# Altium PCB PCB.PcbDoc
Units mil, origin at the board's own origin, x right, y up, seen from the top; angles counter-clockwise.
Board outline 3942.15 x 3154.64 mil, 2 copper layers (Top Layer, Bottom Layer); 108 components, 94 nets, 395 pads, 354 vias.
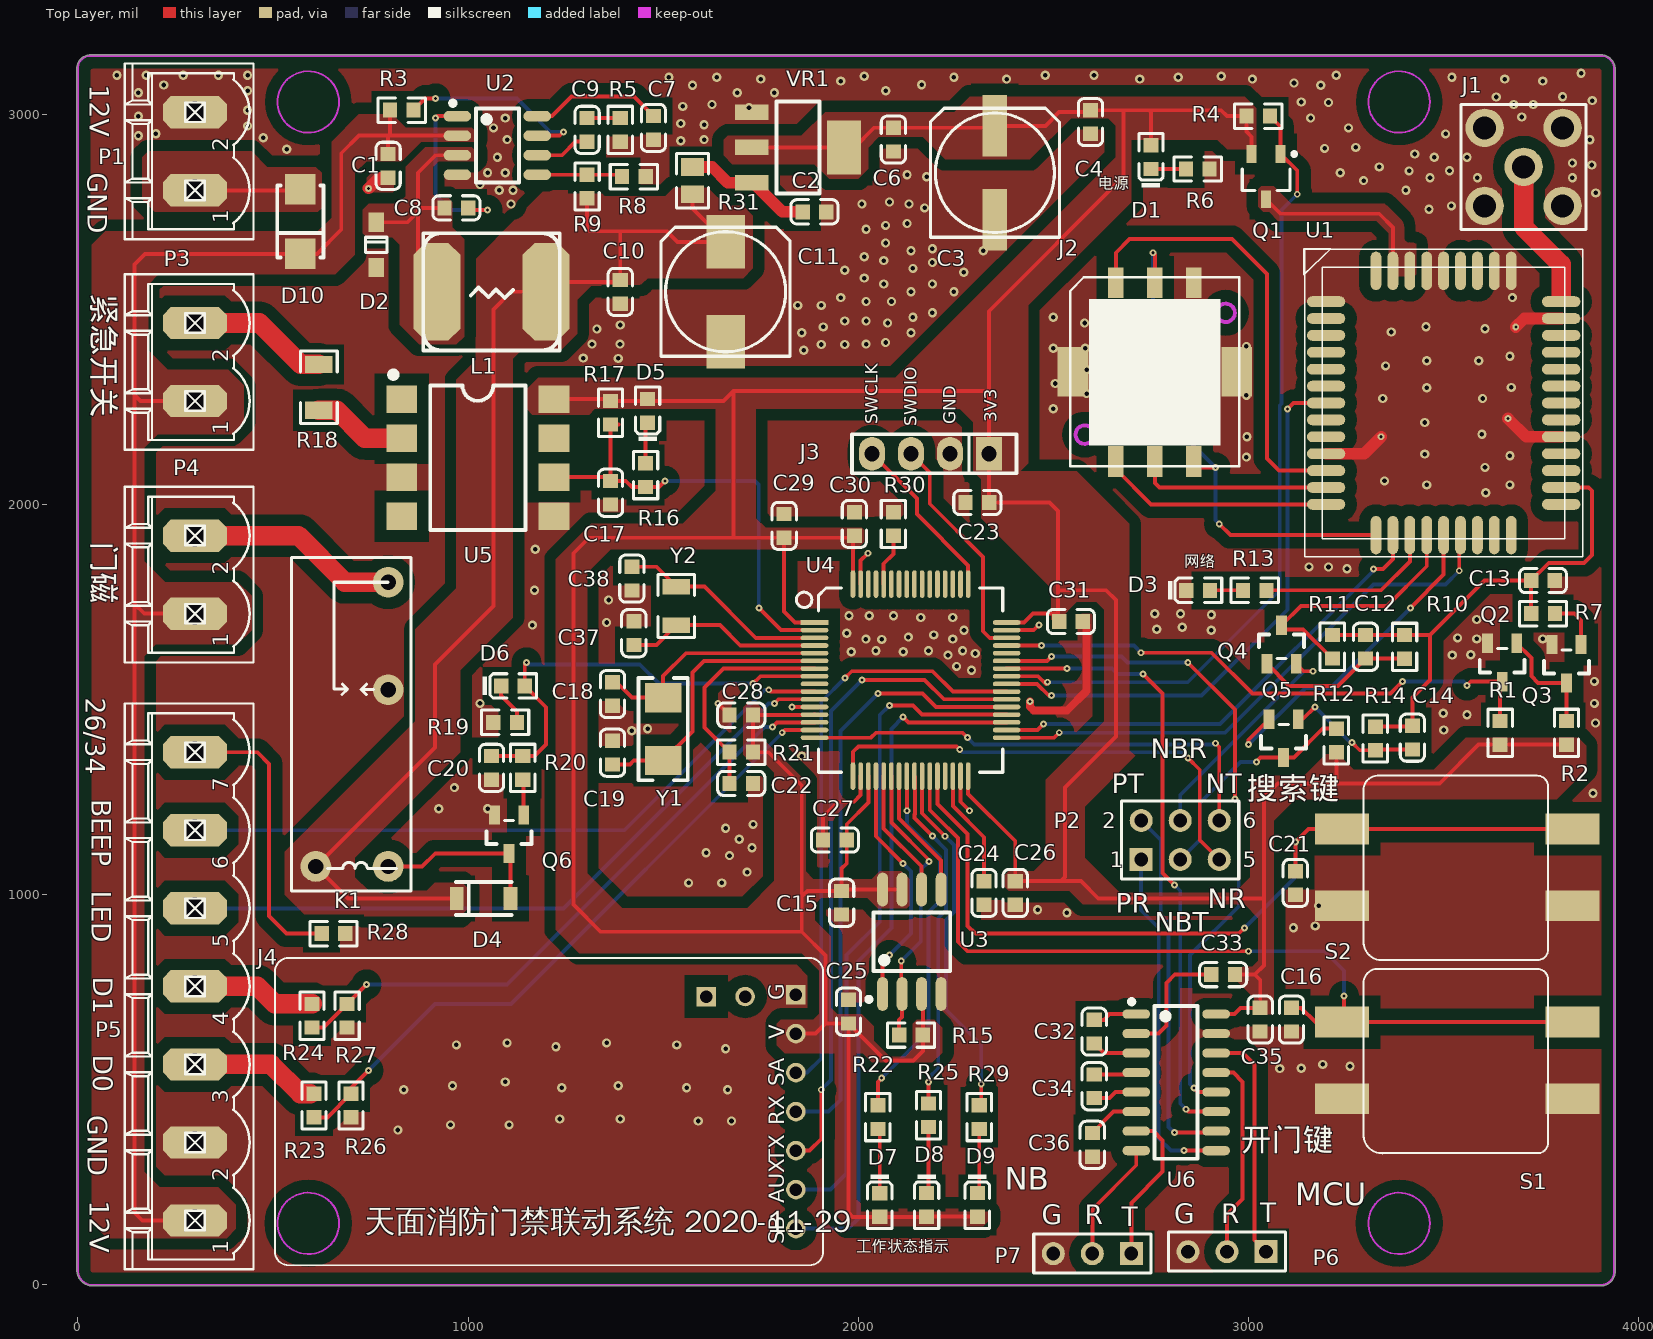
[diagram p0: Top Layer view]
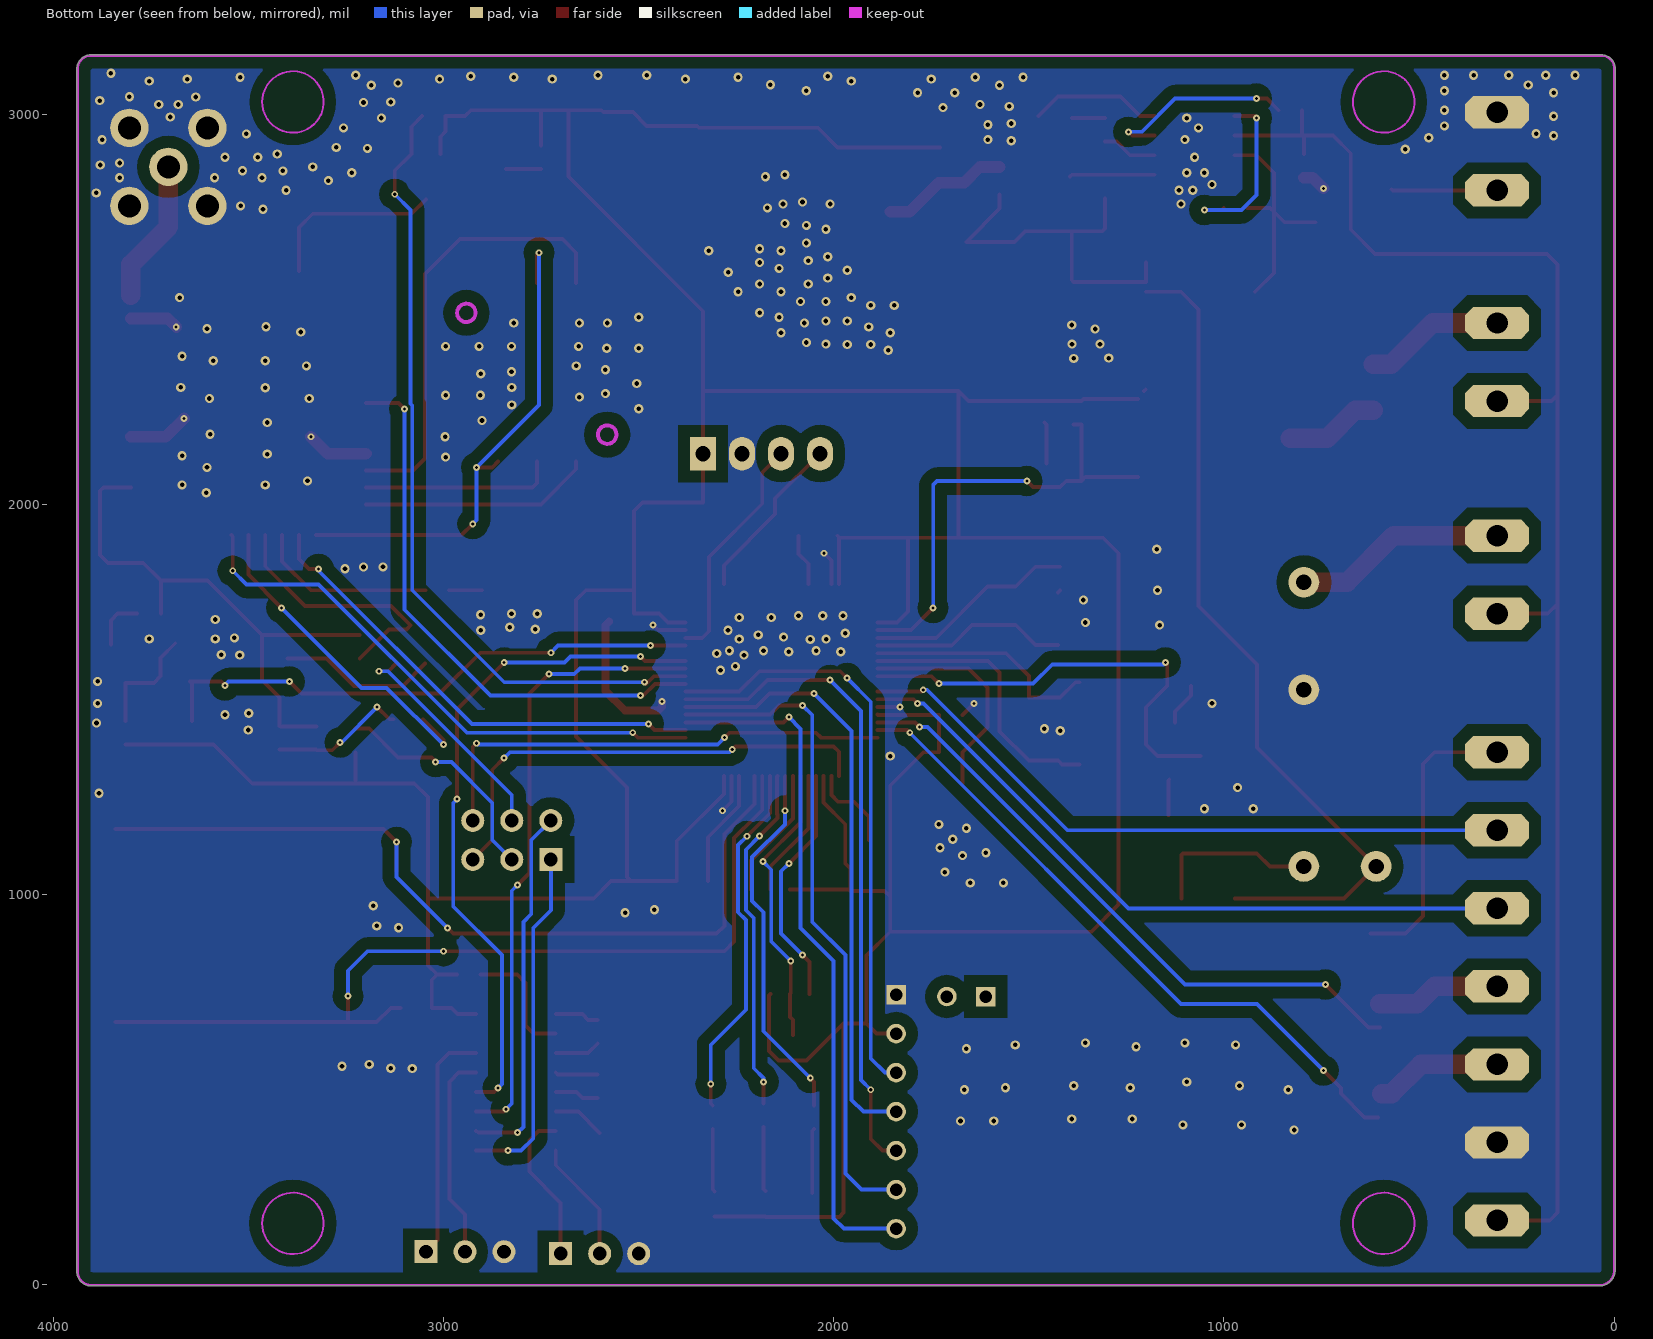
[diagram p1: Bottom Layer view, seen from below]
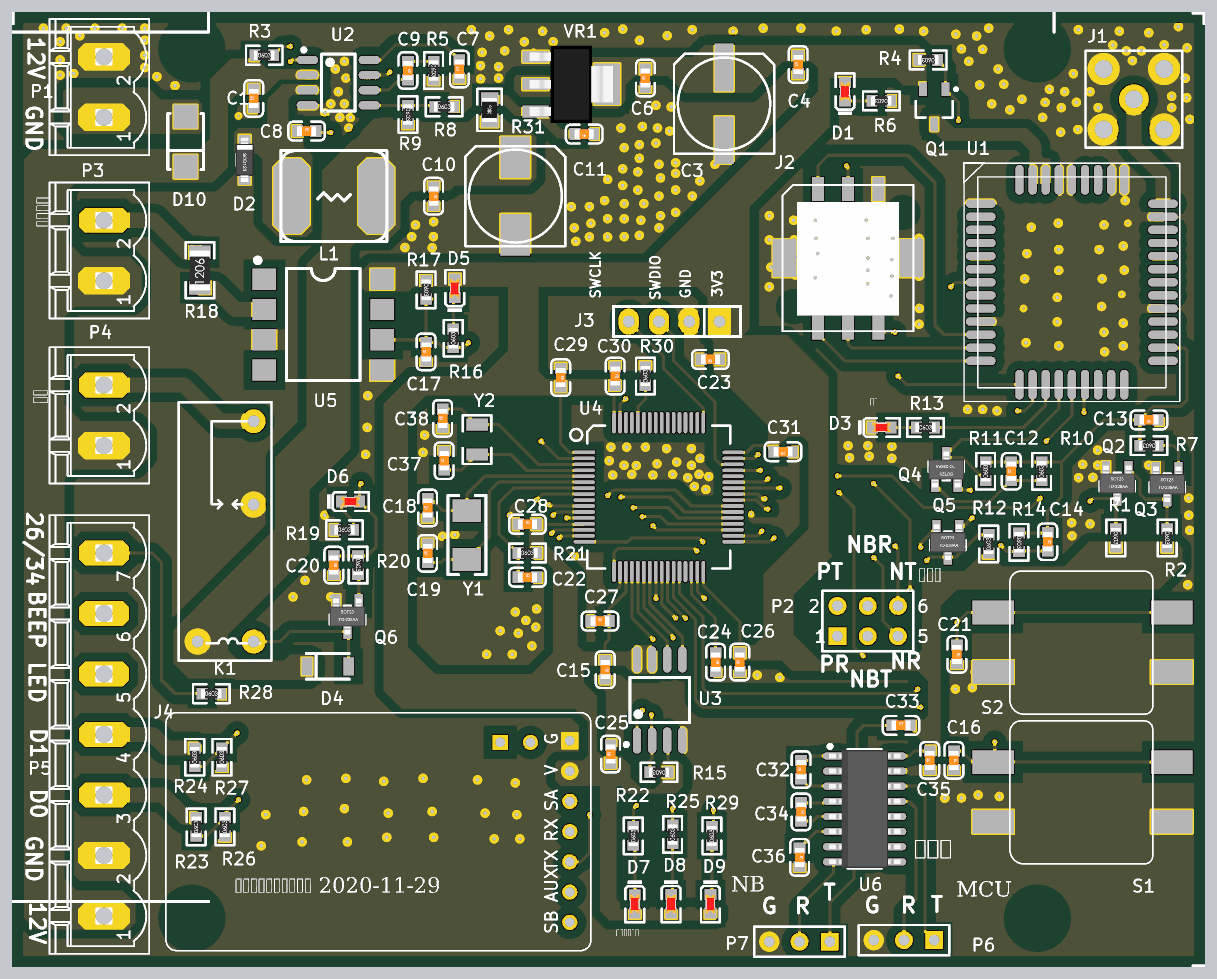
[diagram p2: 3D render of the assembled board from above, using the file's embedded part models]

## Layer stack, top to bottom
Top Solder: solder mask 0.4, Solder Resist, Dk 3.5
Top Layer: signal copper 1.4
Dielectric 1: dielectric 12.6, FR-4, Dk 4.8
Bottom Layer: signal copper 1.4
Bottom Solder: solder mask 0.4, Solder Resist, Dk 3.5

## Board outline
-2.51,34.83 cw(c37.5,37.5) -2.51,40.08 -2.51,3114.61 cw(c-0.03,3115) -2.54,3114.82 cw(c32.3,3117.3) 35.1,3152.12 3900.39,3152.12 cw(c3900.39,3149.61) 3901.01,3152.05 cw(c3903.7,3116.3) 3939.55,3116.3 cw(c3903.7,3116.3) 3939.52,3114.9 cw(c3937.01,3115) 3939.31,3114 cw(c3937.01,3112.99) 3939.52,3112.99 3939.52,35.06 cw(c3903.5,33.5) 3939.56,33.5 cw(c3903.5,33.5) 3905.11,-2.51 cw(c3905,0) 3905,-2.52 40.08,-2.52 cw(c37.5,37.5)

## Design rules (kind name [scope] priority, off if disabled: settings)
Clearance [All] p1: gap=30 ignorepadtopadclearanceinfootprint=FALSE
PlaneConnect [All] p1: planeconnectstyle=Direct reliefexpansion=20 reliefentries=4 reliefconductorwidth=10 reliefairgap=10
PolygonConnect [All] p1: connectstyle=Direct reliefconductorwidth=10 reliefentries=4 polygonreliefangle="90 Angle" airgapwidth=10
RoutingVias [All] p1: holewidth=7.87 width=17.72 viastyle="Through Hole" minholewidth=7.87 minwidth=17.72 maxholewidth=28 maxwidth=50
SolderMaskExpansion [All] p1: expansion=4 istentingtop=FALSE
Width [All] p1: maxlimit=100 minlimit=10 preferedwidth=10
29 further rules are at their usual default settings.

## Components (designator, comment, footprint, x,y, rotation, side; value= is the part's Value field where it differs from the comment)
C1 "100nF (104) 10% 50V" 0603_C 795,2867.76 r90 top
C2 "100nF (104) 10% 50V" 0603_C 1887.66,2750 r180 top
C3 "220uF 10V" 153CLV-0807 2350,2850 r90 top
C4 "100nF (104) 10% 50V" 0603_C 2595,2980 r90 top
C6 "100nF (104) 10% 50V" 0603_C 2090,2935 r90 top
C7 "100nF (104) 10% 50V" 0603_C 1475,2965 r90 top
C8 "10nF (103) 10% 50V" 0603_C 970,2760 r0 top
C9 "3.3nF (332) 10% 50V" 0603_C 1305,2960 r270 top
C10 "100nF (104) 10% 50V" 0603_C 1390,2544.68 r270 top
C11 "470uF/16V" 153CLV-0810 1660,2545 r90 top
C12 "1nF (102) 10% 50V" 0603_C 3299.72,1635.32 r90 top
C13 "1uF (105) 10% 50V" 0603_C 3754.69,1805 r180 top
C14 "1nF (102) 10% 50V" 0603_C 3420,1402.2 r270 top
C15 "100nF (104) 10% 50V" 0603_C 1957.2,979.25 r270 top
C16 "10nF (103) 10% 50V" 0603_C 3110,679.68 r270 top
C17 "10nF (103) 10% 50V" 0603_C 1365,2030 r90 top
C18 "22pF (220) 5% 50V" 0603_C 1370,1514.09 r90 top
C19 "22pF (220) 5% 50V" 0603_C 1370,1363.74 r90 top
C20 "10nF (103) 10% 50V" 0603_C 1060,1325 r270 top
C21 "10nF (103) 10% 50V" 0603_C 3120,1030 r270 top
C22 "100nF (104) 10% 50V" 0603_C 1700,1285 r0 top
C23 "100nF (104) 10% 50V" 0603_C 2305,2005 r180 top
C24 "4.7uF (475) 10% 16V" 0603_C 2322.2,1004.25 r270 top
C25 "100nF (104) 10% 50V" 0603_C 1975,700 r90 top
C26 "100nF (104) 10% 50V" 0603_C 2402.2,1004.25 r90 top
C27 "100nF (104) 10% 50V" 0603_C 1940,1140 r0 top
C28 "100nF (104) 10% 50V" 0603_C 1700,1460 r0 top
C29 "100nF (104) 10% 50V" 0603_C 1810,1945 r270 top
C30 "100nF (104) 10% 50V" 0603_C 1990,1950 r270 top
C31 "100nF (104) 10% 50V" 0603_C 2545,1700 r180 top
C32 "100nF (104) 10% 50V" 0603_C 2604.68,648.94 r90 top
C33 "100nF (104) 10% 50V" 0603_C 2935,795 r0 top
C34 "100nF (104) 10% 50V" 0603_C 2604.68,508.94 r270 top
C35 "100nF (104) 10% 50V" 0603_C 3030,679.68 r90 top
C36 "100nF (104) 10% 50V" 0603_C 2599.68,358.94 r270 top
C37 "15pF (150) 5% 50V" 0603_C 1424.68,1670 r90 top
C38 "15pF (150) 5% 50V" 0603_C 1419.68,1810 r90 top
D1 "红灯 0603" 0603_LED_S1 2750,2890 r90 top
D2 "B5819W  SL" SOD-123 765,2665 r270 top
D3 "绿灯 0603" 0603_LED_S1 2871.02,1780 r0 top
D4 "LL4148 LL-34 1206" LL-34 1040,990 r0 top
D5 "红灯 0603" 0603_LED_S1 1460,2240 r90 top
D6 "红灯 0603" 0603_LED_S1 1115,1535 r0 top
D7 "红灯 0603" 0603_LED_S1 2055,204.68 r270 top
D8 "绿灯 0603" 0603_LED_S1 2175,205 r270 top
D9 "黄灯 0603" 0603_LED_S1 2305,205 r270 top
D10 "M7" SMA(DO-214AC)_S1 570,2725 r90 top
J1 "CON5" T-5P 3704.79,2864.79 r0 top
J2 "CON8" NANOSIM 2541,2005 r0 top
J3 "CON5" SIP4 2335,2130 r180 top
J4 "ROLA PIN" "ROLA MODULE" 1725,443.94 r180 top locked
K1 "G5NB-1A-E" G5NB-1A 795,1072.24 r90 top
L1 "PSSL0804T-220M" L7-8 1060,2545 r0 top
P1 "Header 2" MSTBV2 300,2905 r90 top
P2 "Header 3X2" HDR2X3 2725,1090 r0 top
P3 "Header 2" MSTBV2 300,2365 r90 top
P4 "Header 2" MSTBV2 300,1820 r90 top
P5 "Header 7" MSTBV7 300,765 r90 top
P6 "Header 3" HDR1X3 3045,85 r180 top
P7 "Header 3" HDR1X3 2699.68,80 r180 top
Q1 "AO3401A P道沟 X13A15 SOT-23" SOT-23-3L 3045,2840 r90 top
Q2 "SS8050 Y1" SOT-23(SOT-23-3) 3650,1595 r90 top
Q3 "SS8050 Y1" SOT-23(SOT-23-3) 3815,1591.89 r90 top
Q4 "SS8050 Y1" SOT-23(SOT-23-3) 3084.72,1641.1 r270 top
Q5 "SS8050 Y1" SOT-23(SOT-23-3) 3090,1400.32 r90 top
Q6 "SS8050 Y1" SOT-23(SOT-23-3) 1105,1155 r90 top
R1 "1MΩ (1004) ±1%" 0603_R 3645,1414.69 r270 top
R2 "1MΩ (1004) ±1%" 0603_R 3815,1414.69 r270 top
R3 "100KΩ (1003) ±1%" 0603_R 830,3010.31 r0 top
R4 "1MΩ (1004) ±1%" 0603_R 3025,2995 r180 top
R5 "5.6KΩ (5601) ±1%" 0603_R 1390,2960 r270 top
R6 "1KΩ (1001) ±1%" 0603_R 2870,2859.69 r180 top
R7 "1KΩ (1001) ±1%" 0603_R 3755,1720 r180 top
R8 "33KΩ (3302) ±1%" 0603_R 1424.68,2840 r0 top
R9 "150KΩ (1503) ±1%" 0603_R 1305,2814.69 r270 top
R10 "4.7KΩ (4701) ±1%" 0603_R 3400,1635 r90 top
R11 "10KΩ (1002) ±1%" 0603_R 3214.72,1635.32 r90 top
R12 "10KΩ (1002) ±1%" 0603_R 3225,1395 r90 top
R13 "1KΩ (1001) ±1%" 0603_R 3016.02,1780 r0 top
R14 "4.7KΩ (4701) ±1%" 0603_R 3325,1400.32 r270 top
R15 "510Ω (5100) ±1%" 0603_R 2135,640 r180 top
R16 "1KΩ (1001) ±1%" 0603_R 1455,2075 r90 top
R17 "10KΩ (1002) ±1%" 0603_R 1365,2235 r270 top
R18 "1KΩ (1001) ±1%" 1206_R 617.34,2300 r90 top
R19 "1KΩ (1001) ±1%" 0603_R 1095,1441.57 r0 top
R20 "1KΩ (1001) ±1%" 0603_R 1140,1325 r270 top
R21 "10KΩ (1002) ±1%" 0603_R 1700,1365 r0 top
R22 "1KΩ (1001) ±1%" 0603_R 2050,429.68 r90 top
R23 "2.2KΩ (2201) ±1%" 0603_R 605,459.68 r90 top
R24 "2.2KΩ (2201) ±1%" 0603_R 600,689.68 r90 top
R25 "1KΩ (1001) ±1%" 0603_R 2180,434.68 r90 top
R26 "3.3KΩ (3301) ±1%" 0603_R 700,459.68 r90 top
R27 "3.3KΩ (3301) ±1%" 0603_R 690,689.68 r90 top
R28 "0Ω (0R0) ±1%" 0603_R 655,900 r0 top
R29 "1KΩ (1001) ±1%" 0603_R 2310,429.68 r90 top
R30 "10KΩ (1002) ±1%" 0603_R 2090,1950 r90 top
R31 "0Ω (0R0) ±1%" 0805_R 1575,2829.84 r90 top
S1 "SW-DPST" 12*12_KEY 3535,575 r0 top
S2 "SW-DPST" 12*12_KEY 3535,1070 r0 top
U1 "*" M26 3500,2260 r0 top
U2 "MP1482DS" SOIC-8_150mil 1075,2920 r270 top
U3 "W25Q128JVSIQTR" SOIC-8_208mil 2137.2,879.25 r0 top
U4 "STM32F401RC" LQFP64 1887.87,1697.48 r0 top
U5 "6N137S(TA)" SMD-8_6.3mm 1025,2120 r270 top
U6 "MAX232ESE" SOIC-16_150mil 2814.68,518.94 r270 top
VR1 "AMS1117-3.3" SOT-223 1845,2915 r180 top
Y1 "8MHz ±20ppm 20pF" SMD-5032_2P 1500,1424.09 r270 top
Y2 "32.768KHz ±20ppm 12.5pF" "SMD-3215_2P FC - 135" 1533.43,1740 r90 top

## Footprints (in the part's own frame and the unit in brackets; to place one, negate y for a bottom-side part, rotate by r counter-clockwise, add the part's x,y. Pads: shape width x height; smd on the part's side, far side on the other; paste and mask are expansions set on the pad)
12*12_KEY [mm]
  rect 3.5x2 smd: 1(-7.5,2.5) 2(-7.5,-2.5) 3(7.5,2.5) 4(7.5,-2.5)
  silkscreen extent -6.1,-6.04 5.9,5.97
153CLV-0807 [mm]
  rect 4x1.6 smd: 1(3.05,0) 2(-3.05,0)
  silkscreen extent -4.2,-4.2 4.2,4.2
153CLV-0810 [mm]
  rect 3.5x2.5 smd: 1(3.25,0) 2(-3.25,0)
  silkscreen extent -4.2,-4.2 4.2,4.2
0603_C [mm]
  rect 0.93x0.98 smd: 1(-0.77,0) 2(0.77,0)
  silkscreen extent -1.53,-0.79 1.54,0.79, body extent -0.8,-0.4 0.8,0.4, height 0.3
0603_LED_S1 [mm]
  rect 0.93x0.98 smd: A(0.77,0) K(-0.77,0)
  silkscreen extent -1.98,-0.79 1.54,0.79, body extent -0.8,-0.4 0.8,0.4, height 0.6
0603_R [mm]
  rect 0.93x0.98 smd: 1(-0.77,0) 2(0.77,0)
  silkscreen extent -1.53,-0.79 1.54,0.79, body extent -0.85,-0.4 0.85,0.4, height 0.56
0805_R [mm]
  rect 1.16x1.47 smd: 1(-0.89,0) 2(0.89,0)
  silkscreen extent -1.77,-1.04 1.77,1.03, body extent -1,-0.62 1,0.63, height 0.49
1206_R [mm]
  rect 1.13x1.8 smd: 1(-1.49,0) 2(1.49,0)
  silkscreen extent -2.36,-1.2 2.35,1.2, body extent -1.7,-0.86 1.65,0.87, height 0.85
G5NB-1A [mm]
  round 2 hole 1: 1(0,0) 2(11.5,0) 3(18.5,0) 4(0,4.7)
  silkscreen extent -1.6,-1.5 20.1,6.3
HDR1X3 [mm] "Connector; Header; 3 Position"
  rect 1.5x1.5 hole 0.9: 1(0,0)
  round 1.5 hole 0.9: 2(2.54,0) 3(5.08,0)
  silkscreen extent -1.27,-1.27 6.35,1.27
HDR2X3 [mm] "Connector; Header; 3x2 Position"
  rect 1.5x1.5 hole 0.9: 1(0,0)
  round 1.5 hole 0.9: 2(0,2.54) 3(2.54,0) 4(2.54,2.54) 5(5.08,0) 6(5.08,2.54)
  silkscreen extent -1.27,-1.27 6.35,3.81
L7-8 [mil]
  oct 120x250 smd: 1(-140,0) 2(140,0)
  silkscreen extent -175,-150 175,150
LL-34 [mm]
  rect 0.9x1.5 smd: 1(1.75,0) 2(-1.75,0)
  silkscreen extent -1.8,-1.08 1.8,1.08
LQFP64 [mm]
  rect 1.8x0.3 smd: 1(0,0)
  oval 1.8x0.3 smd: 2(0,-0.5) 3(0,-1) 4(0,-1.5) 5(0,-2) 6(0,-2.5) 7(0,-3) 8(0,-3.5) 9(0,-4) 10(0,-4.5) 11(0,-5) 12(0,-5.5) 13(0,-6) 14(0,-6.5) 15(0,-7) 16(0,-7.5) 33(12.5,-7.5) 34(12.5,-7) 35(12.5,-6.5) 36(12.5,-6) 37(12.5,-5.5) 38(12.5,-5) 39(12.5,-4.5) 40(12.5,-4) 41(12.5,-3.5) 42(12.5,-3) 43(12.5,-2.5) 44(12.5,-2) 45(12.5,-1.5) 46(12.5,-1) 47(12.5,-0.5) 48(12.5,0)
  oval 0.3x1.8 smd: 17(2.5,-10) 18(3,-10) 19(3.5,-10) 20(4,-10) 21(4.5,-10) 22(5,-10) 23(5.5,-10) 24(6,-10) 25(6.5,-10) 26(7,-10) 27(7.5,-10) 28(8,-10) 29(8.5,-10) 30(9,-10) 31(9.5,-10) 32(10,-10) 49(10,2.5) 50(9.5,2.5) 51(9,2.5) 52(8.5,2.5) 53(8,2.5) 54(7.5,2.5) 55(7,2.5) 56(6.5,2.5) 57(6,2.5) 58(5.5,2.5) 59(5,2.5) 60(4.5,2.5) 61(4,2.5) 62(3.5,2.5) 63(3,2.5) 64(2.5,2.5)
  silkscreen extent -1.18,-9.75 12.25,2.25
M26 [mm]
  oval 2.5x0.7 smd: 1(-7.65,6.6) 2(-7.65,5.5) 3(-7.65,4.4) 4(-7.65,3.3) 5(-7.65,2.2) 6(-7.65,1.1) 7(-7.65,0) 8(-7.65,-1.1) 9(-7.65,-2.2) 10(-7.65,-3.3) 11(-7.65,-4.4) 12(-7.65,-5.5) 13(-7.65,-6.6) 23(7.65,-6.6) 24(7.65,-5.5) 25(7.65,-4.4) 26(7.65,-3.3) 27(7.65,-2.2) 28(7.65,-1.1) 29(7.65,0) 30(7.65,1.1) 31(7.65,2.2) 32(7.65,3.3) 33(7.65,4.4) 34(7.65,5.5) 35(7.65,6.6)
  oval 0.7x2.5 smd: 14(-4.4,-8.6) 15(-3.3,-8.6) 16(-2.2,-8.6) 17(-1.1,-8.6) 18(0,-8.6) 19(1.1,-8.6) 20(2.2,-8.6) 21(3.3,-8.6) 22(4.4,-8.6) 36(4.4,8.6) 37(3.3,8.6) 38(2.2,8.6) 39(1.1,8.6) 40(0,8.6) 41(-1.1,8.6) 42(-2.2,8.6) 43(-3.3,8.6) 44(-4.4,8.6)
  silkscreen extent -9.1,-10 9.05,10.05
MSTBV2 [mil]
  oct 82.5x165 hole 55: 1(-100,0) 2(100,0)
  silkscreen extent -225,-150 225,180
MSTBV7 [mil]
  oct 82.5x165 hole 55: 1(-600,0) 2(-400,0) 3(-200,0) 4(0,0) 5(200,0) 6(400,0) 7(600,0)
  silkscreen extent -725,-150 725,180
NANOSIM [mil]
  rect 39.37x78.74 smd: 1(119,105) 2(219,105) 3(319,105) 4(319,563) 5(219,563) 6(119,563)
  rect 78.74x125.98 smd: 7(429,335) 8(9,335)
  Keep-Out Layer circle w10: c400.38,486 r23.62
  Keep-Out Layer circle w10: c39.38,174 r23.62
  silkscreen extent 2,93 435,577
"ROLA MODULE" [mil]
  rect 50x50 hole 32: 1(-115,-300) 9(115,-295)
  round 50 hole 32: 2(-115,-200) 3(-115,-100) 4(-115,0) 5(-115,100) 6(-115,200) 7(-115,300) 8(15,-295)
  Top Layer lines w10: -110.2,104.8 -115,100 ; -114.8,299.8 -115,300 ; -114.8,199.8 -115,200 ; -114.8,-0.2 -115,0 ; -114.8,-99.8 -115,-100
  silkscreen extent -185,-394 1220,394
SIP4 [mm]
  rect 1.7x2.2 hole 1: 1(0,0)
  oval 1.7x2.2 hole 1: 2(2.54,0) 3(5.08,0) 4(7.62,0)
  silkscreen extent -1.78,-1.27 8.92,1.27
SMA(DO-214AC)_S1 [mm]
  rect 2x2 smd: 1(2.1,0) 2(-2.1,0)
  silkscreen extent -2.35,-1.5 2.35,1.5
SMD-8_6.3mm [mm]
  rect 1.8x2 smd: 1(-3.81,-4.95) 2(-1.27,-4.95) 3(1.27,-4.95) 4(3.81,-4.95) 5(3.81,4.95) 6(1.27,4.95) 7(-1.27,4.95) 8(-3.81,4.95)
  silkscreen extent -5.6,-5.7 4.7,3.1
"SMD-3215_2P FC - 135" [mm]
  rect 1x1.8 smd: 1(-1.25,0) 2(1.25,0)
  silkscreen extent -2.05,-1.2 2.05,1.2
SMD-5032_2P [mm]
  rect 1.9x2.4 smd: 1(-2.05,0) 2(2.05,0)
  silkscreen extent -3.32,-1.6 3.32,1.6
SOD-123 [mm]
  rect 1.25x1 smd: 1(1.475,0) 2(-1.475,0)
  silkscreen extent -0.5,-0.7 0.5,0.7, body extent -1.85,-0.77 1.85,0.78, height 1.35
SOIC-8_150mil [mm]
  oval 0.7x1.8 smd: 1(-1.905,-2.6) 2(-0.635,-2.6) 3(0.635,-2.6) 4(1.905,-2.6) 5(1.905,2.6) 6(0.635,2.6) 7(-0.635,2.6) 8(-1.905,2.6)
  silkscreen extent -2.9,-3.05 2.4,1.4
SOIC-8_208mil [mm]
  oval 0.7x2.2 smd: 1(-1.905,-3.4) 2(-0.635,-3.4) 3(0.635,-3.4) 4(1.905,-3.4) 5(1.905,3.4) 6(0.635,3.4) 7(-0.635,3.4) 8(-1.905,3.4)
  silkscreen extent -2.95,-3.9 2.5,1.9
SOIC-16_150mil [mm]
  oval 0.6x1.8 smd: 1(-4.445,-2.6) 2(-3.175,-2.6) 3(-1.905,-2.6) 4(-0.635,-2.6) 5(0.635,-2.6) 6(1.905,-2.6) 7(3.175,-2.6) 8(4.445,-2.6) 9(4.445,2.6) 10(3.175,2.6) 11(1.905,2.6) 12(0.635,2.6) 13(-0.635,2.6) 14(-1.905,2.6) 15(-3.175,2.6) 16(-4.445,2.6)
  silkscreen extent -5.4,-3.05 4.97,1.4, body extent -4.95,-2.97 4.95,3.03, height 1.75
SOT-23(SOT-23-3) [mm]
  rect 1.25x0.7 smd: 1(1.25,-0.95) 2(1.25,0.95) 3(-1.25,0)
  silkscreen extent -0.65,-1.46 0.9,1.46, body extent -1.5,-1.5 1.5,1.5, height 1.3
SOT-23-3L [mm] "http://www.aosmd.com/res/packaging_information/SOT-23-3L.pdf"
  rect 1.15x0.65 smd: 1(1.475,-0.95) 2(1.475,0.95) 3(-1.475,0)
  silkscreen extent -0.9,-1.95 1.6,1.55, body extent -0.9,-1.55 0.9,1.55, height 1.25
SOT-223 [mm]
  rect 2.2x1 smd: 1(3,-2.3) 2(3,0) 3(3,2.3)
  rect 2.2x3.5 smd: 2(-3,0)
  silkscreen extent -1.4,-3 1.4,3, body extent -3.49,-3.24 3.49,3.24, height 1.64
T-5P [mm]
  round 2.5 hole 1.5: 1(0.005,0.005) 2(-2.535,-2.535) 3(2.545,-2.535) 4(2.545,2.545) 5(-2.535,2.545)
  silkscreen extent -4.06,-4.06 4.07,4.07

## Part data
C1 C2 C4 C6 C7 C10 C15 C22 C23 C25 C26 C27 C28 C29 C30 C31 C32 C33 C34 C35 C36: library part "0603 100nF (104) 10% 50V", "贴片电容", Package=0603, SuppliersPartNumber=C14663, ComponentLink1Description=供应, ComponentLink1URL=http://www.szlcsc.com/product/details_15331.html, Supplier=LC
C3: library part CAPACITOR, "Capacitor"
C8 C16 C17 C20 C21: library part "0603 10nF (103) 10% 50V", "贴片电容", Package=0603, SuppliersPartNumber=C57112, ComponentLink1Description=供应, ComponentLink1URL=http://www.szlcsc.com/product/details_58143.html, Supplier=LC
C9: library part "0603 3.3nF (332) 10% 50V", "贴片电容", Package=0603, SuppliersPartNumber=C1613, ComponentLink1Description=供应, ComponentLink1URL=http://www.szlcsc.com/product/details_1965.html, Supplier=LC
C11: library part ELECTRO1, "Electrolytic Capacitor"
C12 C14: library part "0603 1nF (102) 10% 50V", "贴片电容", Package=0603, SuppliersPartNumber=C1588, ComponentLink1Description=供应, ComponentLink1URL=http://www.szlcsc.com/product/details_1940.html, Supplier=LC
C13: library part "0603 1uF (105) 10% 50V", "贴片电容", Package=0603, SuppliersPartNumber=C15849, ComponentLink1Description=供应, ComponentLink1URL=http://www.szlcsc.com/product/details_16531.html, Supplier=LC
C18 C19: library part "0603 22pF (220) 5% 50V", "贴片电容", Package=0603, SuppliersPartNumber=C1653, ComponentLink1Description=供应, ComponentLink1URL=http://www.szlcsc.com/product/details_2005.html, Supplier=LC
C24: library part "0603 4.7uF (475) 10% 16V", "贴片电容", Package=0603, SuppliersPartNumber=C19666, ComponentLink1Description=供应, ComponentLink1URL=http://www.szlcsc.com/product/details_20375.html, Supplier=LC
C37 C38: library part "0603 15pF (150) 5% 50V", "贴片电容", Package=0603, SuppliersPartNumber=C1644, ComponentLink1Description=供应, ComponentLink1URL=http://www.szlcsc.com/product/details_1996.html, Supplier=LC
D1 D5 D6 D7: library part "0603 红灯", "发光二极管", Package=0603, SuppliersPartNumber=C2286, ComponentLink1Description=供应, ComponentLink1URL=http://www.szlcsc.com/product/details_2659.html, Supplier=LC
D2: library part "SOD-123 B5819W  SL", "肖特基二极管", Package=SOD-123, SuppliersPartNumber=C8598, ComponentLink1Description=供应, ComponentLink1URL=http://www.szlcsc.com/product/details_9093.html, Supplier=LC
D3 D8: library part "0603 绿灯", "发光二极管", Package=0603, SuppliersPartNumber=C72043, ComponentLink1Description=供应, ComponentLink1URL=http://www.szlcsc.com/product/details_73152.html, Supplier=LC
D4: library part "LL-34 LL4148 LL-34 1206", "开关二极管", Package=LL-34, SuppliersPartNumber=C9808, ComponentLink1Description=供应, ComponentLink1URL=http://www.szlcsc.com/product/details_10338.html, Supplier=LC
D9: library part "0603 黄灯", "发光二极管", Package=0603, SuppliersPartNumber=C72038, ComponentLink1Description=供应, ComponentLink1URL=http://www.szlcsc.com/product/details_73147.html, Supplier=LC
D10: library part "SMA(DO-214AC) M7", "二极管", Package=SMA(DO-214AC), SuppliersPartNumber=C95872, ComponentLink1Description=供应, ComponentLink1URL=http://www.szlcsc.com/product/details_2841.html, Notepad="1N4007 4007 编号C2464 已经停售,", Supplier=LC
J1 J2: "Connector"
J3: library part CON4, "Connector"
J4: library part CON7, "Connector"
L1: library part "INDUCTOR IRON"
P1 P3 P4: "Header, 2-Pin", LatestRevisionDate=17-Jul-2002, LatestRevisionNote="Re-released for DXP Platform.", Publisher="Altium Limited"
P2: "Header, 3-Pin, Dual row", LatestRevisionDate=17-Jul-2002, LatestRevisionNote="Re-released for DXP Platform.", Publisher="Altium Limited"
P5: "Header, 7-Pin", LatestRevisionDate=17-Jul-2002, LatestRevisionNote="Re-released for DXP Platform.", Publisher="Altium Limited"
P6 P7: "Header, 3-Pin", LatestRevisionDate=17-Jul-2002, LatestRevisionNote="Re-released for DXP Platform.", Publisher="Altium Limited"
Q1: "MOS(场效应管)", Package=SOT-23, SuppliersPartNumber=C15127, ComponentLink1Description=供应, ComponentLink1URL=http://www.szlcsc.com/product/details_15801.html, Supplier=LC
Q2 Q3 Q4 Q5 Q6: library part "SOT-23 SS8050 Y1", "三极管", Package=SOT-23, SuppliersPartNumber=C2150, ComponentLink1Description=供应, ComponentLink1URL=http://www.szlcsc.com/product/details_2507.html, Supplier=LC
R1 R2 R4: library part "0603 1MΩ (1004) 1%", "贴片电阻", Package=0603, SuppliersPartNumber=C22935, ComponentLink1Description=供应, ComponentLink1URL=http://www.szlcsc.com/product/details_23662.html, Supplier=LC
R3: library part "0603 100KΩ (1003) 1%", "贴片电阻", Package=0603, SuppliersPartNumber=C25803, ComponentLink1Description=供应, ComponentLink1URL=http://www.szlcsc.com/product/details_26546.html, Supplier=LC
R5: library part "0603 5.6KΩ (5601) 1%", "贴片电阻", Package=0603, SuppliersPartNumber=C23189, ComponentLink1Description=供应, ComponentLink1URL=http://www.szlcsc.com/product/details_23916.html, Supplier=LC
R6 R7 R13 R16 R19 R20 R22 R25 R29: library part "0603 1KΩ (1001) 1%", "贴片电阻", Package=0603, SuppliersPartNumber=C21190, ComponentLink1Description=供应, ComponentLink1URL=http://www.szlcsc.com/product/details_21904.html, Supplier=LC
R8: library part "0603 33KΩ (3302) 1%", "贴片电阻", Package=0603, SuppliersPartNumber=C4216, ComponentLink1Description=供应, ComponentLink1URL=http://www.szlcsc.com/product/details_4623.html, Supplier=LC
R9: library part "0603 150KΩ (1503) 1%", "贴片电阻", Package=0603, SuppliersPartNumber=C22807, ComponentLink1Description=供应, ComponentLink1URL=http://www.szlcsc.com/product/details_23534.html, Supplier=LC
R10 R14: library part "0603 4.7KΩ (4701) 1%", "贴片电阻", Package=0603, SuppliersPartNumber=C23162, ComponentLink1Description=供应, ComponentLink1URL=http://www.szlcsc.com/product/details_23889.html, Supplier=LC
R11 R12 R17 R21 R30: library part "0603 10KΩ (1002) 1%", "贴片电阻", Package=0603, SuppliersPartNumber=C25804, ComponentLink1Description=供应, ComponentLink1URL=http://www.szlcsc.com/product/details_26547.html, Supplier=LC
R15: library part "0603 510Ω (5100) 1%", "贴片电阻", Package=0603, SuppliersPartNumber=C23193, ComponentLink1Description=供应, ComponentLink1URL=http://www.szlcsc.com/product/details_23920.html, Supplier=LC
R18: library part "1206 1KΩ (1001) 1%", "贴片电阻", Package=1206, SuppliersPartNumber=C4410, ComponentLink1Description=供应, ComponentLink1URL=http://www.szlcsc.com/product/details_4817.html, Supplier=LC
R23 R24: library part "0603 2.2KΩ (2201) 1%", "贴片电阻", Package=0603, SuppliersPartNumber=C4190, ComponentLink1Description=供应, ComponentLink1URL=http://www.szlcsc.com/product/details_4597.html, Supplier=LC
R26 R27: library part "0603 3.3KΩ (3301) 1%", "贴片电阻", Package=0603, SuppliersPartNumber=C22978, ComponentLink1Description=供应, ComponentLink1URL=http://www.szlcsc.com/product/details_23705.html, Supplier=LC
R28: library part "0603 0Ω (0R0) 1%", "贴片电阻", Package=0603, SuppliersPartNumber=C21189, ComponentLink1Description=供应, ComponentLink1URL=http://www.szlcsc.com/product/details_21903.html, Supplier=LC
R31: library part "0805 0Ω (0R0) 1%", "贴片电阻", Package=0805, SuppliersPartNumber=C17477, ComponentLink1Description=供应商, ComponentLink1URL=http://www.szlcsc.com/product/details_18165.html, Supplier=LC
S1 S2: "Double-Pole, Single-Throw Switch", LatestRevisionDate=17-Jul-2002, LatestRevisionNote="Re-released for DXP Platform.", PackageDescription="Switch; 4 Leads", PackageReference=DPST-4, Published=24-Mar-1999, Publisher="Altium Limited"
U1: library part M26
U2: library part MP1482DS_[C14867], "电源芯片", Package=SOIC-8_150mil, SuppliersPartNumber=C14867, ComponentLink1Description=供应, ComponentLink1URL=http://www.szlcsc.com/product/details_15539.html, Supplier=LC
U3: library part W25Q128JVSIQTR_[C97521], "Flash ROM", Package=SOIC-8, SuppliersPartNumber=C97521, ComponentLink1Description=供应, ComponentLink1URL=https://item.szlcsc.com/98729.html, Supplier=LC
U5: library part 6N137S(TA)_[C16496], "贴片光耦", Package=SMD-8_6.3mm, SuppliersPartNumber=C16496, ComponentLink1Description=供应, ComponentLink1URL=http://www.szlcsc.com/product/details_17178.html, Supplier=LC
U6: library part MAX232ESE_[C26860], "RS232", Package=SOIC-16_150mil, SuppliersPartNumber=C26860, ComponentLink1Description=供应, ComponentLink1URL=http://www.szlcsc.com/product/details_27608.html, Supplier=LC
VR1: library part "SOT-223 AMS1117-3.3", "低压差线性稳压(LDO)", Package=SOT-223, SuppliersPartNumber=C6186, ComponentLink1Description=供应, ComponentLink1URL=http://www.szlcsc.com/product/details_6652.html, Supplier=LC